# KiCad board RKD07_Assemble_BUILD.kicad_pcb (continued)
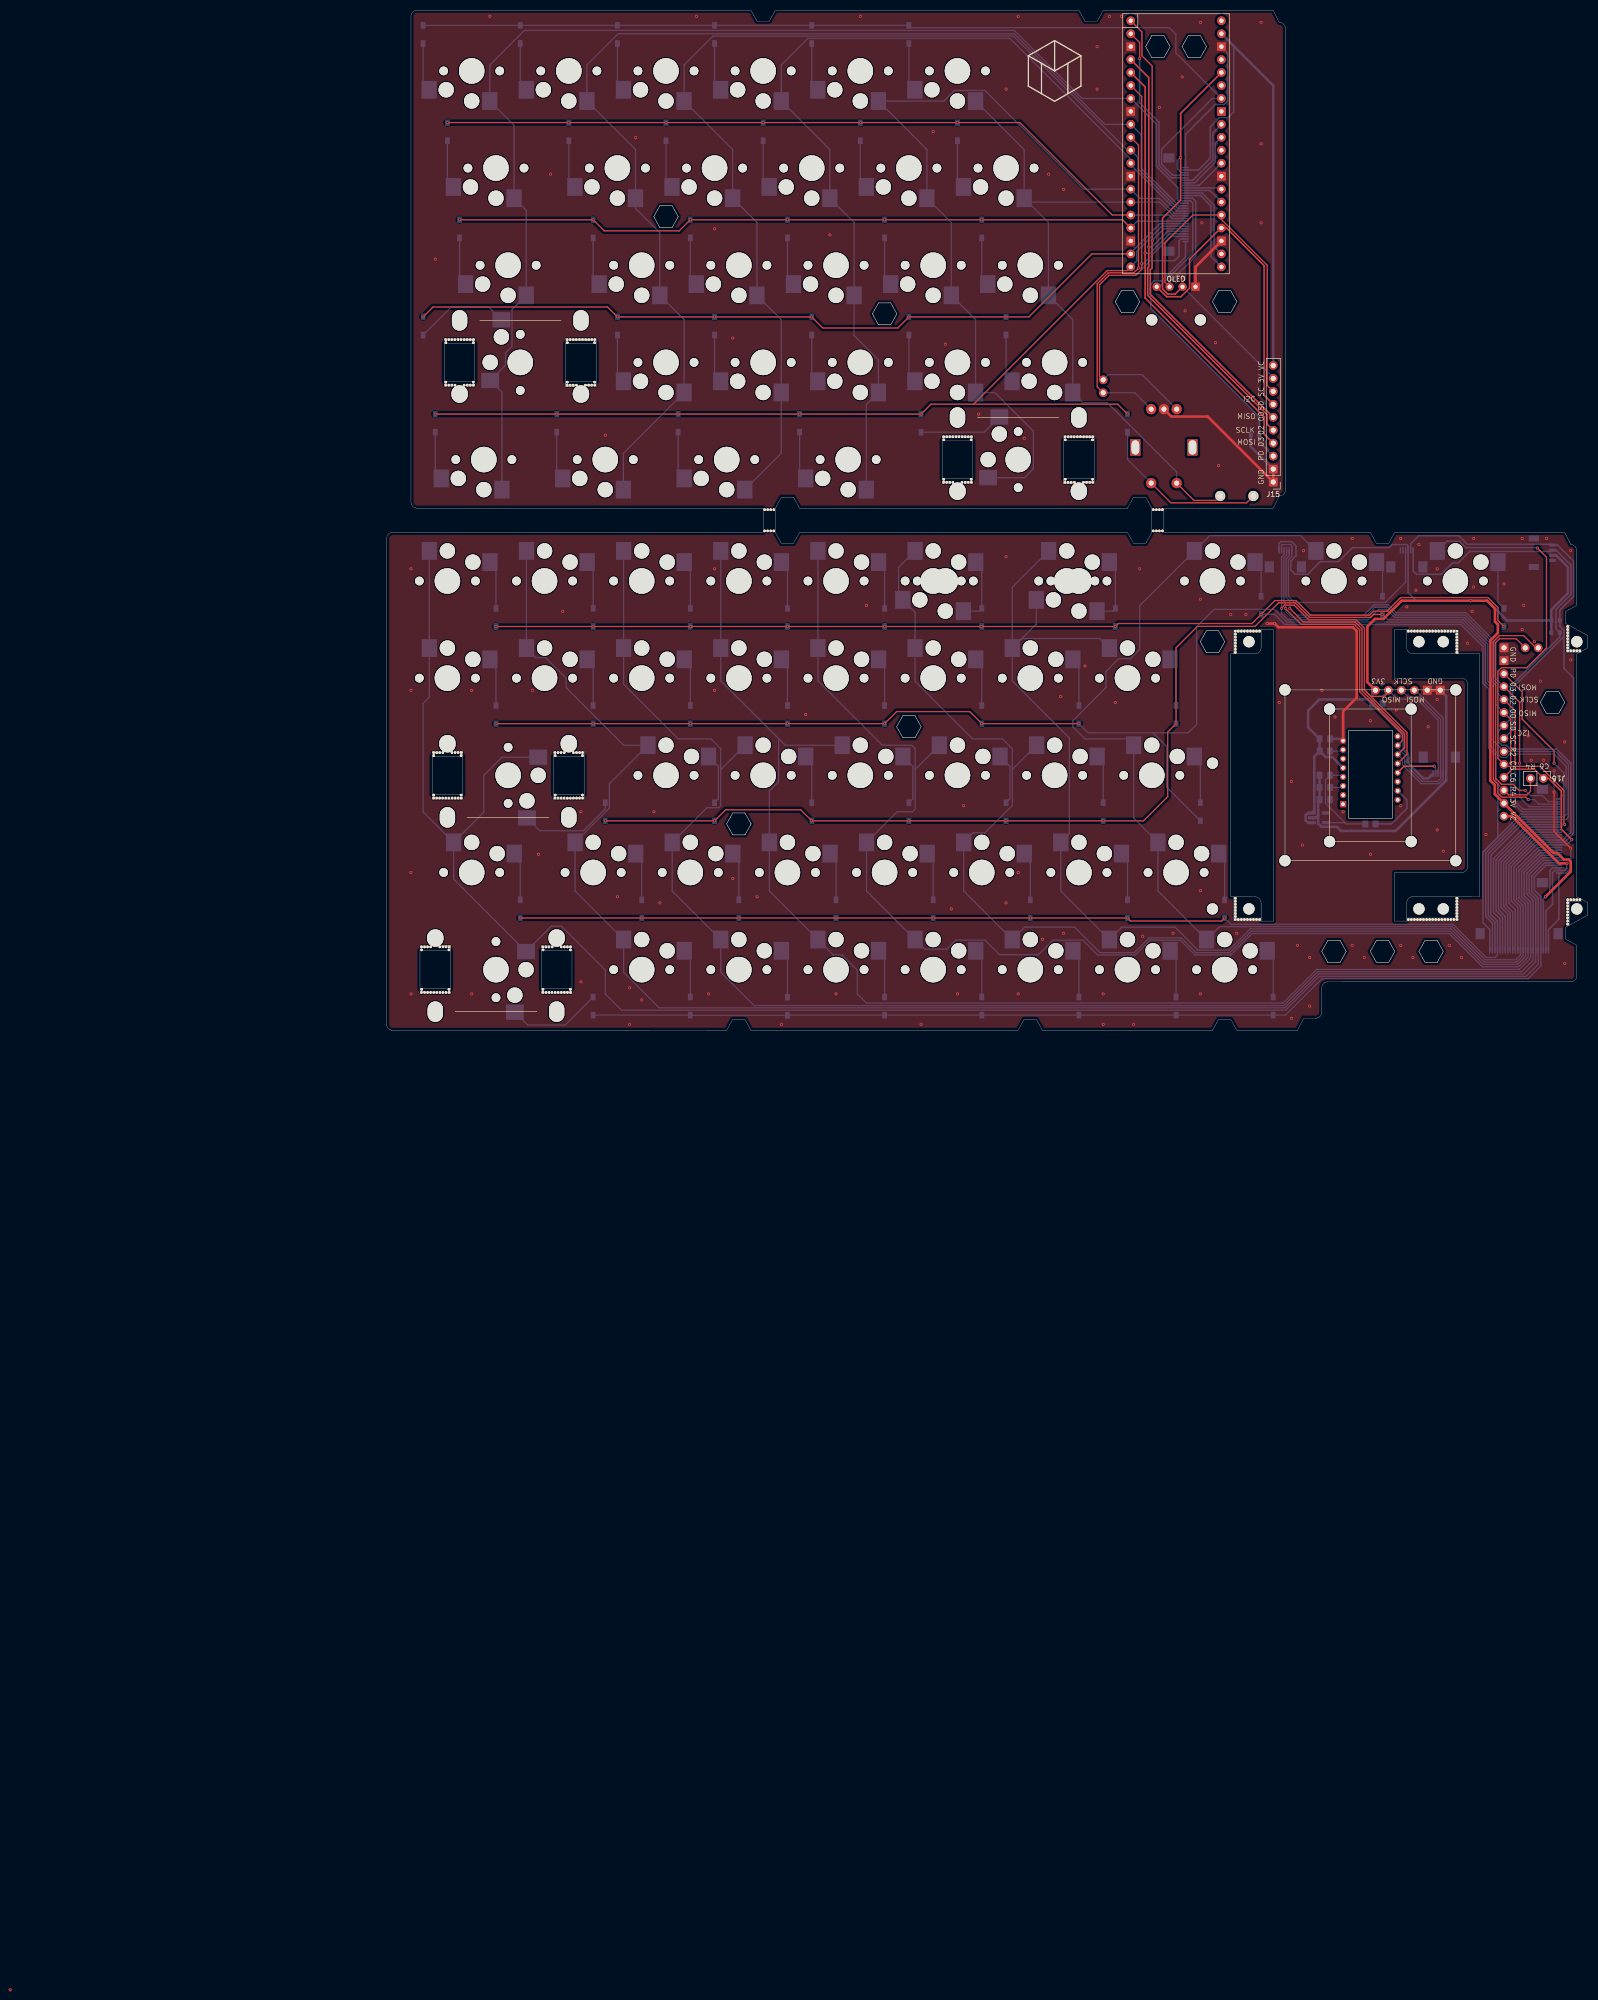
[diagram p0: board, top side]
## Routing (per net, layer and track width the routed paths; a pad name or vN(x,y) marks a point on that pad's centre or on a via; arc(x,y) is an arc through that point) (continued)
Net-(D1-A): length 9.6
  Bottom w0.25: D1.2 7.14,185.6 SW1.1
Net-(D2-A): length 9.6
  Bottom w0.25: D2.2 11.91,166.55 SW2.1
Net-(D3-A): length 9.6
  Bottom w0.25: SW3.1 14.29,147.5 D3.2
Net-(D4-A): length 18.7
  Bottom w0.25: SW4.1 19.98,141.84 12.64,141.84 D4.2
Net-(D5-A): length 9.6
  Bottom w0.25: SW5.1 9.53,109.4 D5.2
Net-(D6-A): length 9.6
  Bottom w0.25: D6.2 26.19,185.6 SW6.1
Net-(D7-A): length 9.6
  Bottom w0.25: SW7.1 35.72,166.55 D7.2
Net-(D8-A): length 9.6
  Bottom w0.25: SW8.1 40.48,147.5 D8.2
Net-(D9-A): length 9.6
  Bottom w0.25: D9.2 45.24,128.45 SW9.1
Net-(D10-A): length 9.6
  Bottom w0.25: SW10.1 33.34,109.4 D10.2
Net-(D11-A): length 9.6
  Bottom w0.25: SW11.1 45.24,185.6 D11.2
Net-(D12-A): length 9.6
  Bottom w0.25: SW12.1 54.77,166.55 D12.2
Net-(D13-A): length 9.6
  Bottom w0.25: SW13.1 59.53,147.5 D13.2
Net-(D14-A): length 9.6
  Bottom w0.25: D14.2 64.29,128.45 SW14.1
Net-(D15-A): length 9.6
  Bottom w0.25: SW15.1 57.15,109.4 D15.2
Net-(D16-A): length 9.6
  Bottom w0.25: D16.2 64.29,185.6 SW16.1
Net-(D17-A): length 9.6
  Bottom w0.25: SW17.1 73.82,166.55 D17.2
Net-(D18-A): length 9.6
  Bottom w0.25: SW18.1 78.58,147.5 D18.2
Net-(D19-A): length 9.6
  Bottom w0.25: D19.2 83.34,128.45 SW19.1
Net-(D20-A): length 9.6
  Bottom w0.25: D20.2 80.96,109.4 SW20.1
Net-(D21-A): length 9.6
  Bottom w0.25: SW21.1 83.34,185.6 D21.2
Net-(D22-A): length 9.6
  Bottom w0.25: D22.2 92.87,166.55 SW22.1
Net-(D23-A): length 9.6
  Bottom w0.25: SW23.1 97.63,147.5 D23.2
Net-(D24-A): length 9.6
  Bottom w0.25: SW24.1 102.39,128.45 D24.2
Net-(D25-A): length 16.6
  Bottom w0.25: D25.2 117.14,117.3 SW25.1
Net-(D26-A): length 9.6
  Bottom w0.25: D26.2 102.39,185.6 SW26.1
Net-(D27-A): length 9.6
  Bottom w0.25: D27.2 111.92,166.55 SW27.1
Net-(D28-A): length 9.6
  Bottom w0.25: SW28.1 116.68,147.5 D28.2
Net-(D29-A): length 9.6
  Bottom w0.25: SW29.1 121.44,128.45 D29.2
Net-(D30-A): length 34.1
  Top w0.25: SW31.2 168.61,103.46 153.75,103.46 SW30.S2
  Bottom w0.25: D30.2 145.26,111.95 SW30.S2
Net-(D41-A): length 9.6
  Bottom w0.25: SW41.1 217.9,83.92 D41.2
Net-(D51-A): length 9.6
  Bottom w0.25: D51.2 173.83,14.44 SW51.1
Net-(D52-A): length 9.6
  Bottom w0.25: D52.2 164.31,33.49 SW52.1
Net-(D53-A): length 7.2
  Bottom w0.25: SW53.1 195.26,90.64 D53.2
Net-(D54-A): length 9.6
  Bottom w0.25: D54.2 159.54,52.54 SW54.1
Net-(D55-A): length 7.2
  Bottom w0.25: SW55.1 171.45,90.64 D55.2
Net-(D56-A): length 9.6
  Bottom w0.25: SW56.1 154.78,14.44 D56.2
Net-(D57-A): length 9.6
  Bottom w0.25: SW57.1 145.26,33.49 D57.2
Net-(D58-A): length 9.6
  Bottom w0.25: SW58.1 154.78,71.59 D58.2
Net-(D59-A): length 9.6
  Bottom w0.25: D59.2 135.73,71.59 SW59.1
Net-(D60-A): length 13.4
  Bottom w0.25: SW60.1 142.34,82.22 D60.2 142.88,90.64 SW60.1
Net-(D61-A): length 9.6
  Bottom w0.25: D61.2 135.73,14.44 SW61.1
Net-(D62-A): length 9.6
  Bottom w0.25: SW62.1 126.21,33.49 D62.2
Net-(D63-A): length 9.6
  Bottom w0.25: D63.2 140.49,52.54 SW63.1
Net-(D64-A): length 9.6
  Bottom w0.25: SW64.1 116.68,71.59 D64.2
Net-(D65-A): length 13.4
  Bottom w0.25: SW65.1 116.68,90.64 D65.2 116.15,82.22 SW65.1
Net-(D66-A): length 9.6
  Bottom w0.25: D66.2 116.68,14.44 SW66.1
Net-(D67-A): length 9.6
  Bottom w0.25: SW67.1 107.16,33.49 D67.2
Net-(D68-A): length 10.2
  Bottom w0.25: SW68.1 122.22,51.76 122.22,45.42 D68.2
Net-(D69-A): length 9.6
  Bottom w0.25: SW69.1 97.63,71.59 D69.2
Net-(D70-A): length 9.6
  Bottom w0.25: SW70.1 97.63,90.64 D70.2
Net-(D71-A): length 9.6
  Bottom w0.25: SW71.1 97.63,14.44 D71.2
Net-(D72-A): length 9.6
  Bottom w0.25: SW72.1 88.11,33.49 D72.2
Net-(D73-A): length 10.2
  Bottom w0.25: SW73.1 103.17,51.76 103.17,45.42 D73.2
Net-(D74-A): length 9.6
  Bottom w0.25: D74.2 78.58,71.59 SW74.1
Net-(D75-A): length 9.6
  Bottom w0.25: SW75.1 78.58,90.64 D75.2
Net-(D76-A): length 9.6
  Bottom w0.25: D76.2 78.58,14.44 SW76.1
Net-(D77-A): length 9.6
  Bottom w0.25: SW77.1 69.06,33.49 D77.2
Net-(D78-A): length 9.6
  Bottom w0.25: SW78.1 83.34,52.54 D78.2
Net-(D79-A): length 9.6
  Bottom w0.25: SW79.1 59.53,71.59 D79.2
Net-(D80-A): length 9.6
  Bottom w0.25: D80.2 59.53,90.64 SW80.1
Net-(D81-A): length 9.6
  Bottom w0.25: SW81.1 59.53,14.44 D81.2
Net-(D82-A): length 9.6
  Bottom w0.25: SW82.1 50.01,33.49 D82.2
Net-(D83-A): length 10.2
  Bottom w0.25: D83.2 65.03,45.39 65.03,51.8 SW83.1
Net-(D84-A): length 9.6
  Bottom w0.25: D84.2 40.48,71.59 SW84.1
Net-(D85-A): length 9.6
  Bottom w0.25: D85.2 40.48,90.64 SW85.1
Net-(D86-A): length 18.7
  Bottom w0.25: D86.2 34.98,1.05 27.65,1.05 SW86.1
Net-(D87-A): length 9.6
  Bottom w0.25: SW87.1 26.19,33.49 D87.2
Net-(D88-A): length 19.4
  Bottom w0.25: D88.2 42.86,43.43 38.58,39.15 30.03,39.15 SW88.1
Net-(D89-A): length 9.6
  Bottom w0.25: SW89.1 21.43,71.59 D89.2
Net-(D90-A): length 9.6
  Bottom w0.25: D90.2 21.43,90.64 SW90.1
Net-(U3-LED_P): length 11.6
  Bottom w0.3: R2.2 197.02,40.49 200.03,43.5 200.03,45.19 U3.15
Net-(U3-NRESET): length 3.1
  Bottom w0.25: 185.21,55.04 R1.1 187.27,54.78 U3.7
Net-(U3-VDDPIX): length 5
  Bottom w0.25: C4.1 C3.1 187.25,47.63 U3.3

## Copper pours and planes (outline as drawn; the poured copper is in the pictures)
GND_L on Top, Bottom: 4.76,200.03 4.76,102.4 176.21,102.4 176.21,200.03
GND_R on Top, Bottom: 0,97.64 0,0.01 233.36,0.01 233.36,97.64

## Text on the board
B.Silkscreen: RE_B | RE_A | 30 | GND / VCC / 3V3 | 1k | RKD07_Asm_v2.0 | Nogikesu_TB | 3V3 / X / GP00_MOT / GP02_SDIO / GP03_SCK / GND | X / X / GND / 3V3 / SCL / SDA | 3V3 / NCS / MOTN / SCLK / MOSI / GND | Nogikesu | 0.1uF | 4.7uF | 10k | 1uF | Pin1 | 39R | RabitTP | RB | RA | Qwiic
User.Comments: Pico | OLED | PointAnother | Picot5400 | Unified
F.Silkscreen: 02 00 | SD SC | 3V VC | R2 C5 | C6 R4 | SCLK | MISO | MOSI | I2C | PD 03 | GND | 3V3
